# Altium PCB Sweet4x4_02.PcbDoc (part 1 of 2)
Units mm, origin at the board's own origin, x right, y up, seen from the top; angles counter-clockwise.
Board outline 80 x 114 mm, 2 copper layers (Top Layer, Bottom Layer), stack 1.571 mm thick; 67 components, 23 nets, 344 pads, 8 vias.
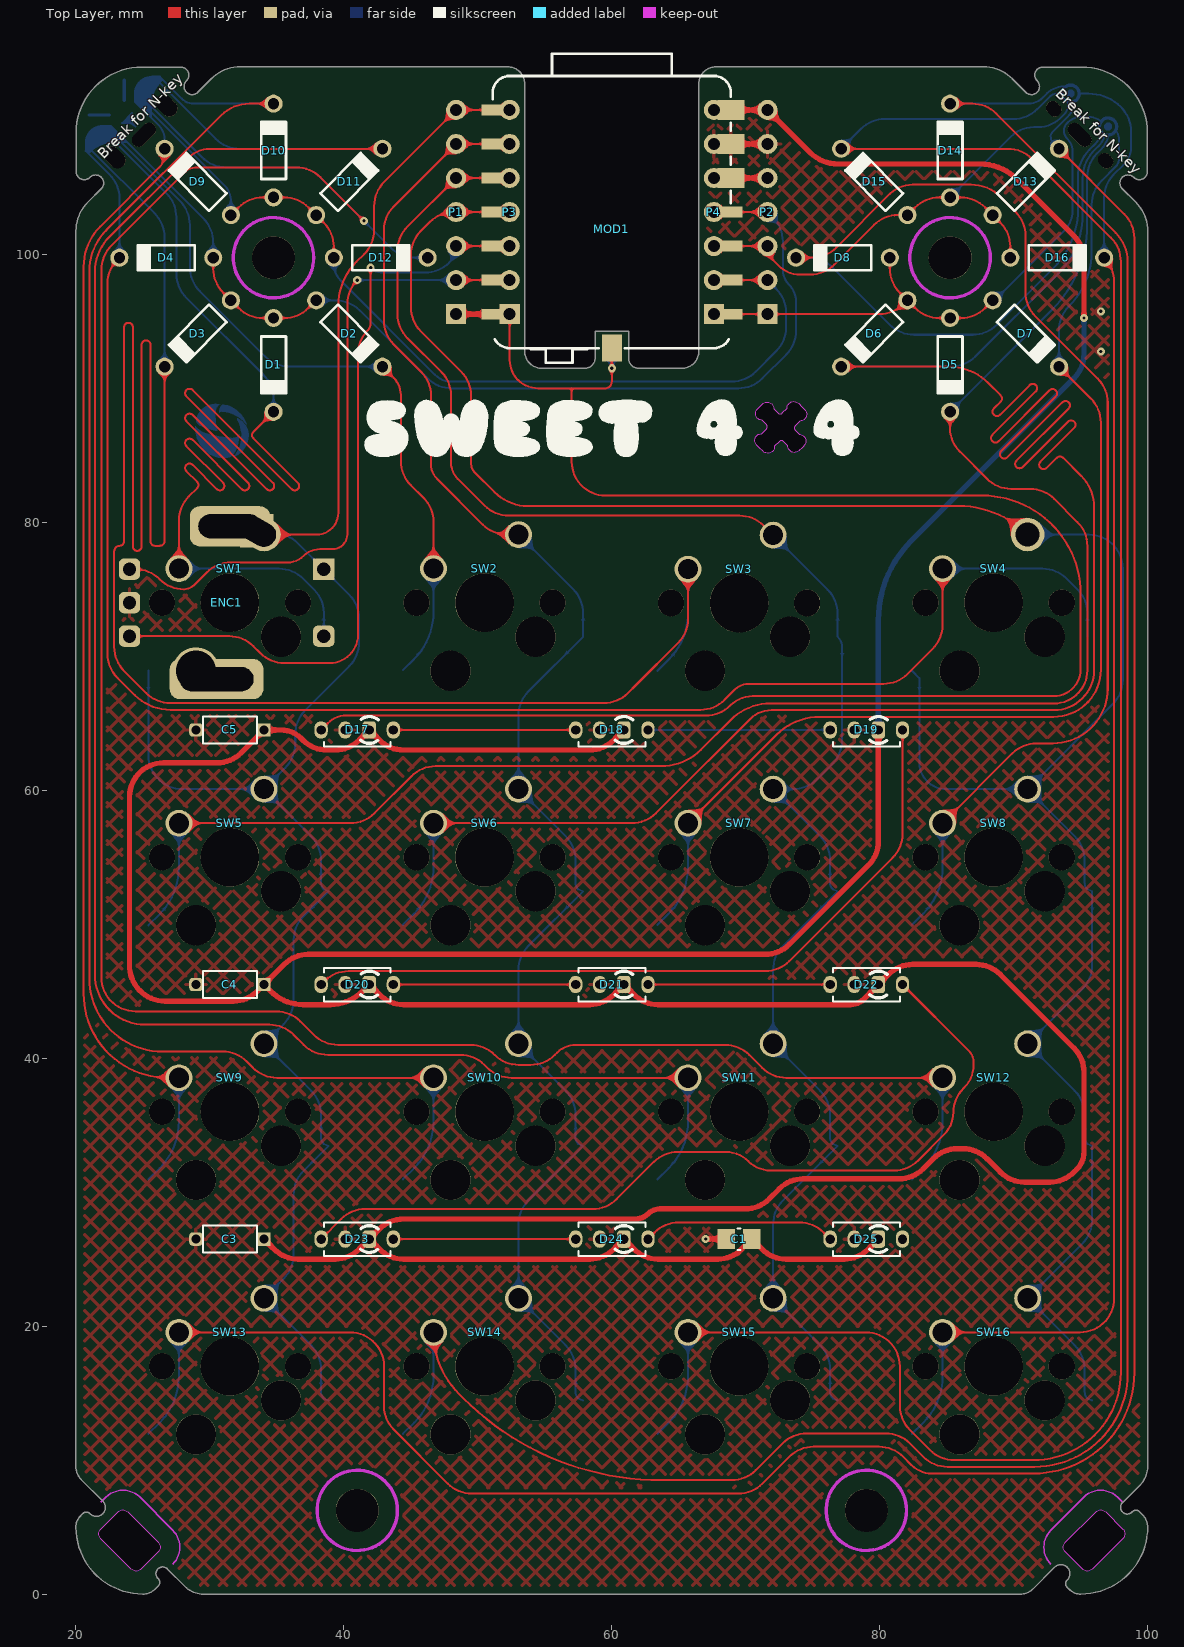
[diagram p0: Top Layer view]
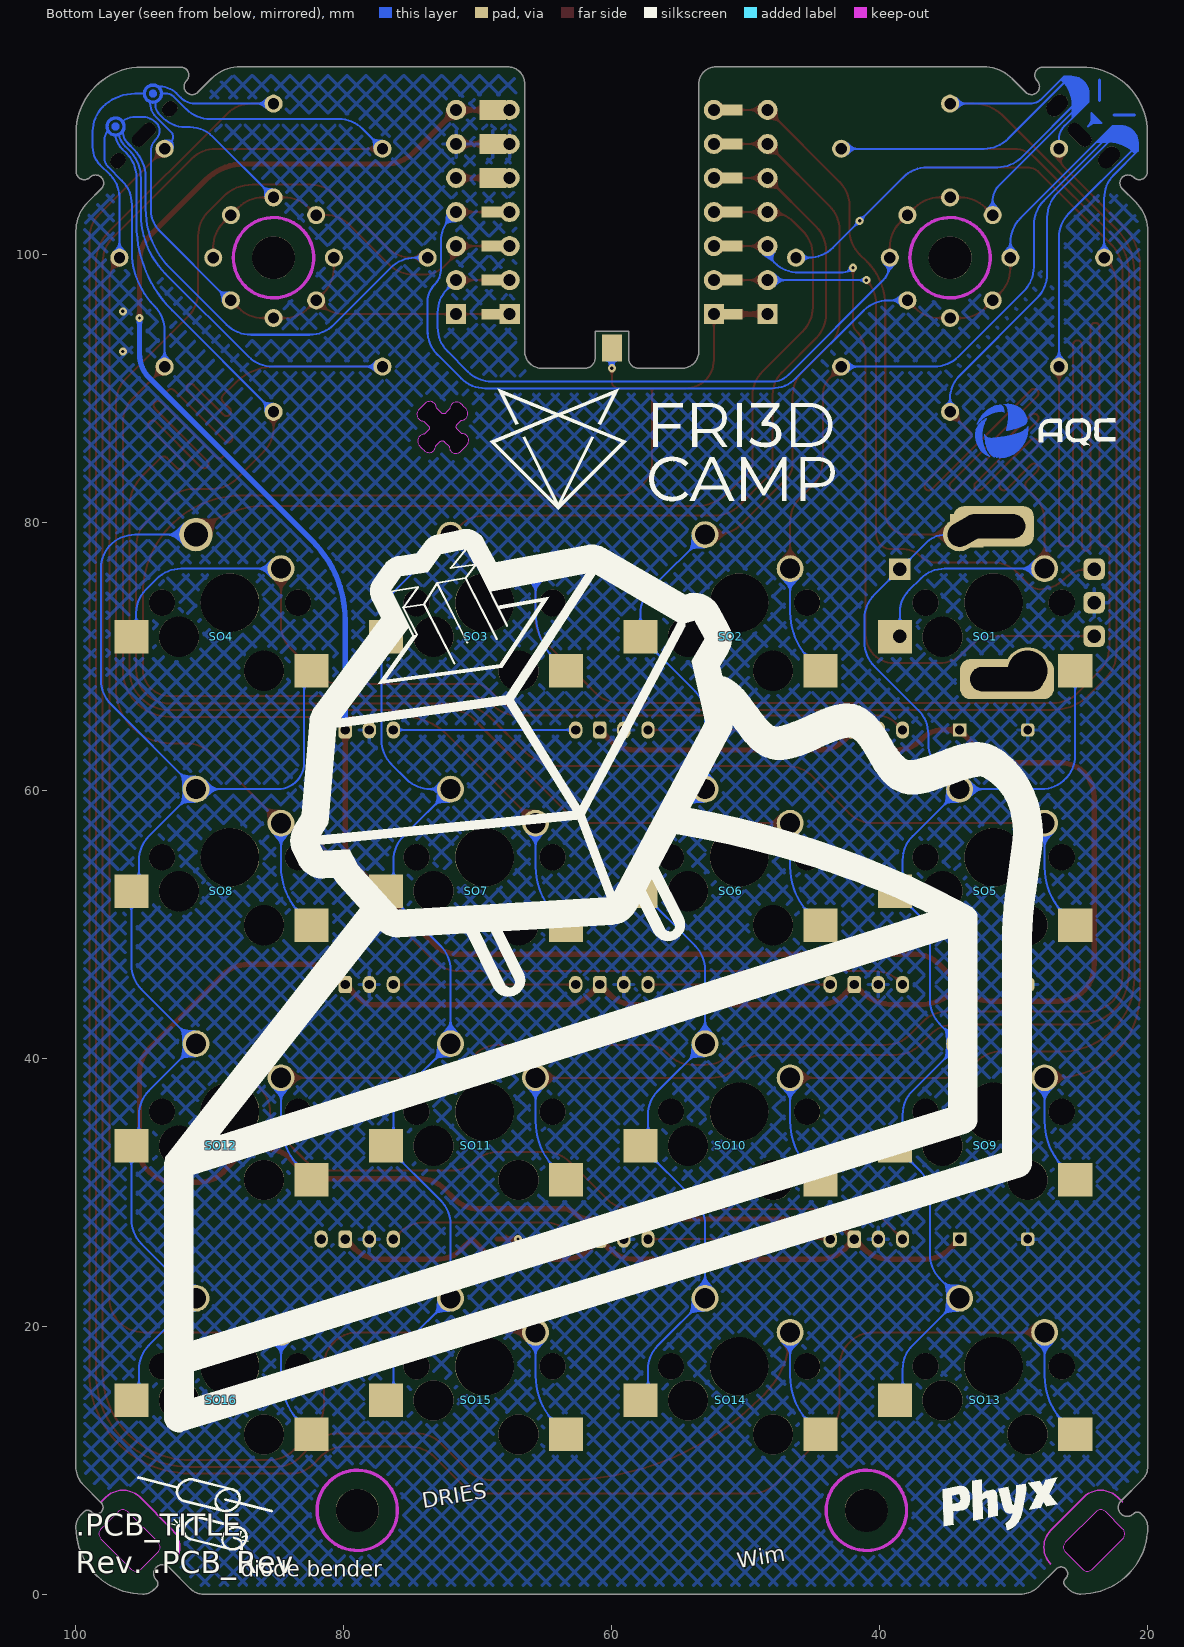
[diagram p1: Bottom Layer view, seen from below]
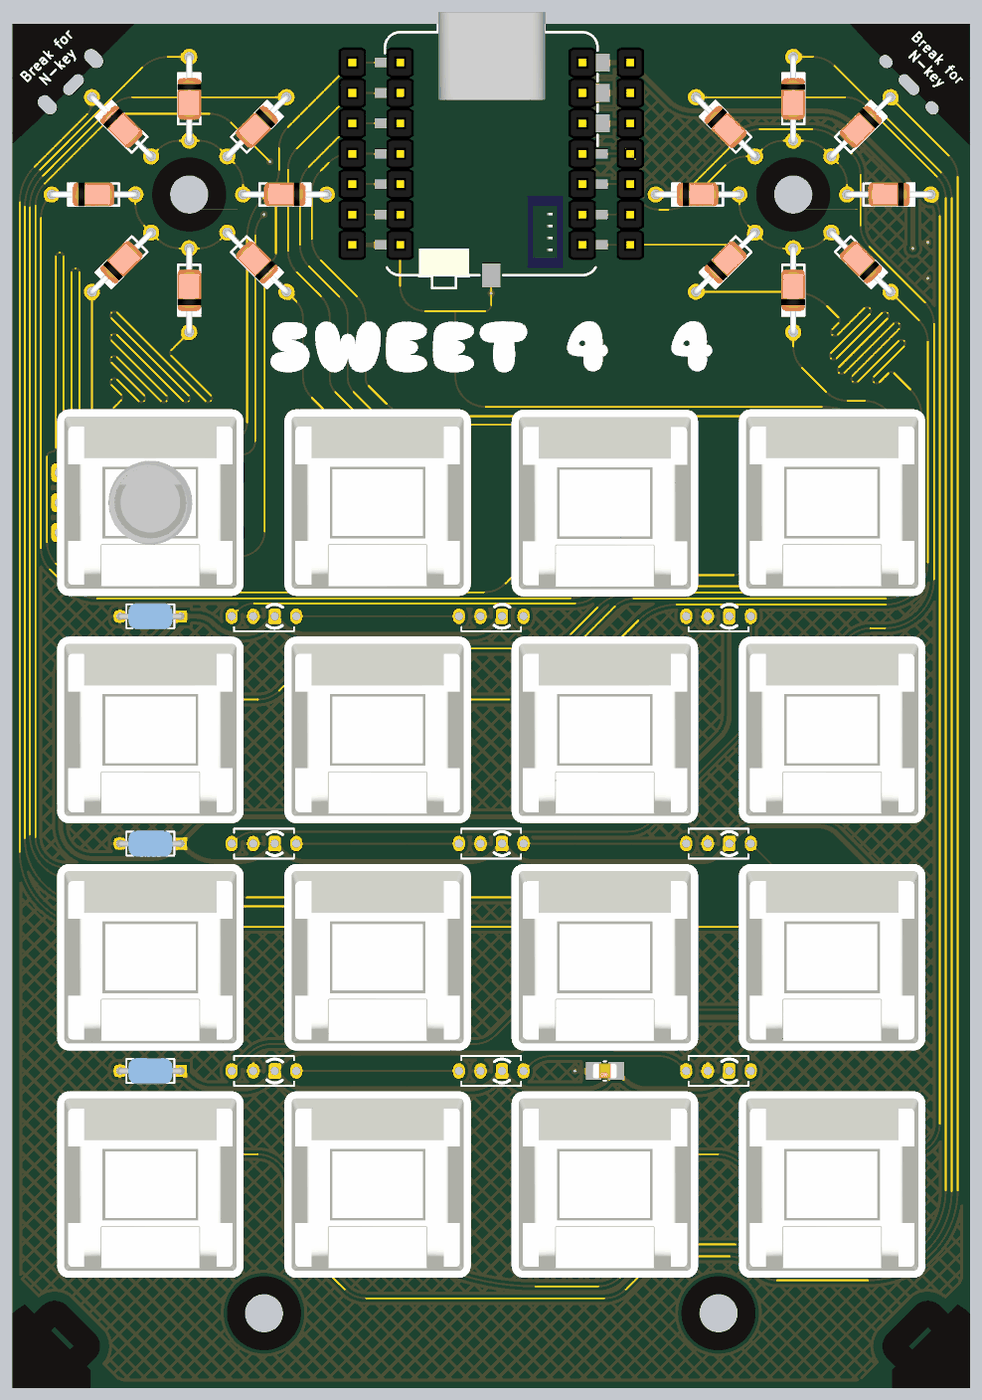
[diagram p3: 3D render of the assembled board from above, using the file's embedded part models]

## Layer stack, top to bottom
Top Solder: solder mask 0.0102, Solder Resist, Dk 3.5
Top Layer: signal copper 0.0356
Dielectric1: core 1.5, FR-4, Dk 4.8
Bottom Layer: signal copper 0.0356
Bottom Solder: solder mask 0.0102, Solder Resist, Dk 3.5

## Board outline
25,0 ccw(c25,1.296) 25.916,0.379 26.164,0.627 ccw(c25.888,0.879) 26.14,1.154 cw(c26.475,1.525) 26.846,1.86 28.145,0.561 ccw(c29.5,1.916) 29.5,0 90.5,0 ccw(c90.5,1.331) 91.441,0.39 93.027,1.976 cw(c93.525,1.525) 93.976,1.027 ccw(c94.251,0.776) 94,0.5 94.146,0.354 ccw(c95,1.207) 95,0 ccw(c95,5) 100,5 ccw(c98.704,5) 99.621,5.916 99.373,6.164 ccw(c99.121,5.888) 98.846,6.14 cw(c98.475,6.475) 98.14,6.846 99.439,8.145 ccw(c98.084,9.5) 100,9.5 100,101.73 ccw(c96.934,101.73) 99.102,103.898 98.102,104.898 cw(c98.528,105.324) 98.953,105.749 ccw(c99.379,106.175) 99.981,106.175 99.981,109.072 ccw(c95.072,109.072) 95.072,113.981 92.175,113.981 ccw(c92.175,113.379) 91.749,112.953 cw(c91.324,112.528) 90.898,112.102 89.898,113.102 ccw(c87.73,110.934) 87.73,114 67.77,114 ccw(c67.77,112.73) 66.5,112.73 66.5,92.77 cw(c65.23,92.77) 65.23,91.5 62,91.5 cw(c62,92.25) 61.25,92.25 61.25,94.25 58.75,94.25 58.75,92.25 cw(c58,92.25) 58,91.5 54.77,91.5 cw(c54.77,92.77) 53.5,92.77 53.5,112.73 ccw(c52.23,112.73) 52.23,114 32.27,114 ccw(c32.27,110.934) 30.102,113.102 29.102,112.102 cw(c28.676,112.528) 28.251,112.953 ccw(c27.825,113.379) 27.825,113.981 24.928,113.981 ccw(c24.928,109.072) 20.019,109.072 20.019,106.175 ccw(c20.621,106.175) 21.047,105.749 cw(c21.472,105.324) 21.898,104.898 20.898,103.898 ccw(c23.066,101.73) 20,101.73 20,9.5 ccw(c21.331,9.5) 20.39,8.559 21.976,6.973 cw(c21.525,6.475) 21.027,6.024 ccw(c20.776,5.749) 20.5,6 20.354,5.854 ccw(c21.207,5) 20,5 ccw(c25,5)
cut-out: 70.88,88.467 71.057,88.644 71.216,88.803 71.233,88.82 cw(c71.587,88.467) 72.087,88.462 72.382,88.166 ccw(c72.559,88.343) 72.736,88.166 73.085,88.515 cw(c73.585,88.52) 73.938,88.873 74.168,88.644 74.398,88.414 cw(c74.044,88.06) 74.039,87.56 73.69,87.212 ccw(c73.867,87.035) 73.69,86.858 73.986,86.562 cw(c73.991,86.062) 74.345,85.709 74.327,85.691 74.168,85.532 74.009,85.373 73.991,85.355 cw(c73.637,85.709) 73.137,85.714 72.842,86.01 ccw(c72.665,85.833) 72.488,86.01 72.14,85.661 cw(c71.64,85.656) 71.286,85.302 71.057,85.532 70.827,85.762 cw(c71.18,86.116) 71.185,86.616 71.534,86.964 ccw(c71.357,87.141) 71.534,87.318 71.238,87.613 cw(c71.233,88.113)
cut-out: 26.146,3.146 24.854,1.854 cw(c24.5,2.207) 24.146,1.854 21.851,4.149 21.854,4.146 cw(c22.207,4.5) 21.854,4.854 21.851,4.851 23.149,6.149 23.146,6.146 cw(c23.5,5.793) 23.854,6.146 23.851,6.149 26.146,3.854 cw(c25.793,3.5)
cut-out: 96.854,6.146 98.146,4.854 cw(c97.793,4.5) 98.146,4.146 95.851,1.851 95.854,1.854 cw(c95.5,2.207) 95.146,1.854 95.149,1.851 93.851,3.149 93.854,3.146 cw(c94.207,3.5) 93.854,3.854 93.851,3.851 96.146,6.146 cw(c96.5,5.793)

## Design rules (kind name [scope] priority, off if disabled: settings)
BoardOutlineClearance [NOT OnLayer('Top Overlay') AND NOT OnLayer('Bottom Overlay') AND NOT IsText AND NOT WithinRoom('Fri3d_2020_Time_Blaster_00')] p1: gap=0.5 ignorepadtopadclearanceinfootprint=FALSE except(0: Arc-SplitContinuation Track-SplitContinuation SMDPad-SplitContinuation THPad-SplitContinuation Via-SplitContinuation Fill-SplitContinuation Poly-SplitContinuation Region-SplitContinuation Text-SplitContinuation; 0.3: SMDPad-OutlineEdge; 0.4: THPad-OutlineEdge)
Clearance [All] p1: gap=0.15 ignorepadtopadclearanceinfootprint=FALSE except(0: Arc-Hole Track-Hole SMDPad-Hole THPad-Hole Via-Hole Fill-Hole Region-Hole Text-Hole; 0.25: Arc-Poly Track-Poly SMDPad-Poly THPad-Poly Via-Poly Fill-Poly Poly-Hole; 1.1: Poly-Poly)
ComponentClearance ComponentClearance_TP [HasFootprint('TP_2x3mm')] p1: gap=0 collisioncheckmode=3 verticalgap=0 showdistances=FALSE
ComponentClearance ComponentClearance_SW [InComponentClass('SWITCH') vs InComponentClass('SWITCH')] p2: gap=0 collisioncheckmode=3 verticalgap=0 showdistances=FALSE
ComponentClearance ComponentClearance_RES [InComponentClass('Resistors') vs InComponentClass('Resistors')] p3: gap=0 collisioncheckmode=3 verticalgap=0 showdistances=FALSE
ComponentClearance ComponentClearance_P1-2 [InComponent('P1') vs InComponent('P2')] p4: gap=0 collisioncheckmode=3 verticalgap=0 showdistances=FALSE
ComponentClearance [All] p5: gap=0.25 collisioncheckmode=3 verticalgap=0.25 showdistances=FALSE
DiffPairsRouting [All] p1: maxlimit=0.254 minlimit=0.15 mostfreqgap=0.15 toplayer_minwidth=0.25 toplayer_maxwidth=0.381 toplayer_prefwidth=0.25 bottomlayer_minwidth=0.25 bottomlayer_maxwidth=0.381 bottomlayer_prefwidth=0.25 maxuncoupledlength=12.7
HoleSize [All] p1: absolutevalues=TRUE maxlimit=10 minlimit=0.025 maxpercent=80.000 minpercent=20.000
HoleToHoleClearance [All] p1: gap=0 allowstackedmicrovias=TRUE
PolygonConnect PolygonConnect_VIA [IsVia] p1: connectstyle=Direct reliefconductorwidth=0.254 reliefentries=4 polygonreliefangle="90 Angle" airgapwidth=0.254
PolygonConnect [All] p2: connectstyle=Relief reliefconductorwidth=0.254 reliefentries=4 polygonreliefangle="90 Angle" airgapwidth=0.254
RoutingVias [All] p1: holewidth=0.3 width=0.7 viastyle="Through Hole" minholewidth=0.3 minwidth=0.2 maxholewidth=0.6 maxwidth=1.2
SilkToSolderMaskClearance SilkscreenOverComponentPads [IsPad] p1: minsilkscreentomaskgap=0.254 clearancetoexposedcopper=TRUE
SolderMaskExpansion SolderMaskExpansion_track [IsTrack or IsArc] p1: expansion=0 istentingtop=FALSE
SolderMaskExpansion [All] p2: expansion=0.05 istentingtop=FALSE
SupplyNets "Schematic Supply Nets_1" [InNet('GND')] p1: voltage=0.000
SupplyNets "Schematic Supply Nets" [InNet('VSYS')] p2: voltage=0.000
Width [All] p1: maxlimit=5 minlimit=0.15 preferedwidth=0.25
25 further rules are at their usual default settings.

## Components (designator, comment, footprint, x,y, rotation, side; value= is the part's Value field where it differs from the comment)
C1 "CAP_CERAMIC" C0805_N 69.5,26.5 r180 top value="10uF 10V"
C3 "CAP_CERAMIC" C_5.08mm 31.5,26.5 r180 top value="100nF 50V"
C4 "CAP_CERAMIC" C_5.08mm 31.5,45.5 r180 top value="100nF 50V"
C5 "CAP_CERAMIC" C_5.08mm 31.5,64.5 r180 top value="100nF 50V"
D1 "1N4148 100V 200mA 1Vf@10mA" DO-35 34.75,91.75 r270 top value=1N4148
D2 "1N4148 100V 200mA 1Vf@10mA" DO-35 40.407,94.093 r315 top value=1N4148
D3 "1N4148 100V 200mA 1Vf@10mA" DO-35 29.093,94.093 r225 top value=1N4148
D4 "1N4148 100V 200mA 1Vf@10mA" DO-35 26.75,99.75 r180 top value=1N4148
D5 "1N4148 100V 200mA 1Vf@10mA" DO-35 85.25,91.75 r270 top value=1N4148
D6 "1N4148 100V 200mA 1Vf@10mA" DO-35 79.593,94.093 r225 top value=1N4148
D7 "1N4148 100V 200mA 1Vf@10mA" DO-35 90.907,94.093 r315 top value=1N4148
D8 "1N4148 100V 200mA 1Vf@10mA" DO-35 77.25,99.75 r180 top value=1N4148
D9 "1N4148 100V 200mA 1Vf@10mA" DO-35 29.093,105.407 r135 top value=1N4148
D10 "1N4148 100V 200mA 1Vf@10mA" DO-35 34.75,107.75 r90 top value=1N4148
D11 "1N4148 100V 200mA 1Vf@10mA" DO-35 40.407,105.407 r45 top value=1N4148
D12 "1N4148 100V 200mA 1Vf@10mA" DO-35 42.75,99.75 r0 top value=1N4148
D13 "1N4148 100V 200mA 1Vf@10mA" DO-35 90.907,105.407 r45 top value=1N4148
D14 "1N4148 100V 200mA 1Vf@10mA" DO-35 85.25,107.75 r90 top value=1N4148
D15 "1N4148 100V 200mA 1Vf@10mA" DO-35 79.593,105.407 r135 top value=1N4148
D16 "1N4148 100V 200mA 1Vf@10mA" DO-35 93.25,99.75 r0 top value=1N4148
D17 "WS2812 based digital RGB LED 5mm Rectangle" LED_5mm_RGB_RECT_EASY 41,64.5 r0 top value=WS2812D-255
D18 "WS2812 based digital RGB LED 5mm Rectangle" LED_5mm_RGB_RECT_EASY 60,64.5 r0 top value=WS2812D-255
D19 "WS2812 based digital RGB LED 5mm Rectangle" LED_5mm_RGB_RECT_EASY 79,64.5 r0 top value=WS2812D-255
D20 "WS2812 based digital RGB LED 5mm Rectangle" LED_5mm_RGB_RECT_EASY 41,45.5 r0 top value=WS2812D-255
D21 "WS2812 based digital RGB LED 5mm Rectangle" LED_5mm_RGB_RECT_EASY 60,45.5 r0 top value=WS2812D-255
D22 "WS2812 based digital RGB LED 5mm Rectangle" LED_5mm_RGB_RECT_EASY 79,45.5 r0 top value=WS2812D-255
D23 "WS2812 based digital RGB LED 5mm Rectangle" LED_5mm_RGB_RECT_EASY 41,26.5 r0 top value=WS2812D-255
D24 "WS2812 based digital RGB LED 5mm Rectangle" LED_5mm_RGB_RECT_EASY 60,26.5 r0 top value=WS2812D-255
D25 "WS2812 based digital RGB LED 5mm Rectangle" LED_5mm_RGB_RECT_EASY 79,26.5 r0 top value=WS2812D-255
ENC1 "Rotary Encoder with Switch" PEC11-4215F-S0024 31.5,74 r270 top value=PEC11-4215F-S0024
MOD1 "CH23V203 based TNY module" PHYX_LANA_TNY_SMD 68.89,113.32 r180 top value="LANA TNY"
P1 "Header 7" HDR1X7 48.38,95.54 r90 top
P2 "Header 7" HDR1X7 71.62,95.54 r90 top
P3 "Header 7" HDR1X7 52.38,95.54 r90 top
P4 "Header 7" HDR1X7 67.62,95.54 r90 top
SO1 "Kailh MX Socket" KAILH_MX_SOCKET#1 31.5,74 r180 top value=CPG151101S11
SO2 "Kailh MX Socket" KAILH_MX_SOCKET#2 50.5,74 r180 top value=CPG151101S11
SO3 "Kailh MX Socket" KAILH_MX_SOCKET#2 69.5,74 r180 top value=CPG151101S11
SO4 "Kailh MX Socket" KAILH_MX_SOCKET#2 88.5,74 r180 top value=CPG151101S11
SO5 "Kailh MX Socket" KAILH_MX_SOCKET#2 31.5,55 r180 top value=CPG151101S11
SO6 "Kailh MX Socket" KAILH_MX_SOCKET#2 50.5,55 r180 top value=CPG151101S11
SO7 "Kailh MX Socket" KAILH_MX_SOCKET#2 69.5,55 r180 top value=CPG151101S11
SO8 "Kailh MX Socket" KAILH_MX_SOCKET#2 88.5,55 r180 top value=CPG151101S11
SO9 "Kailh MX Socket" KAILH_MX_SOCKET#2 31.5,36 r180 top value=CPG151101S11
SO10 "Kailh MX Socket" KAILH_MX_SOCKET#2 50.5,36 r180 top value=CPG151101S11
SO11 "Kailh MX Socket" KAILH_MX_SOCKET#2 69.5,36 r180 top value=CPG151101S11
SO12 "Kailh MX Socket" KAILH_MX_SOCKET#2 88.5,36 r180 top value=CPG151101S11
SO13 "Kailh MX Socket" KAILH_MX_SOCKET#2 31.5,17 r180 top value=CPG151101S11
SO14 "Kailh MX Socket" KAILH_MX_SOCKET#2 50.5,17 r180 top value=CPG151101S11
SO15 "Kailh MX Socket" KAILH_MX_SOCKET#2 69.5,17 r180 top value=CPG151101S11
SO16 "Kailh MX Socket" KAILH_MX_SOCKET#2 88.5,17 r180 top value=CPG151101S11
SW1 "Cherry MX Blue" Cherry_MX1A#1 31.5,74 r0 top value=MX1A-E1NN
SW2 "Cherry MX Blue" Cherry_MX1A#2 50.5,74 r0 top value=MX1A-E1NN
SW3 "Cherry MX Blue" Cherry_MX1A#2 69.5,73.96 r0 top value=MX1A-E1NN
SW4 "Cherry MX Blue" Cherry_MX1A#3 88.5,74 r0 top value=MX1A-E1NN
SW5 "Cherry MX Blue" Cherry_MX1A#2 31.5,55 r0 top value=MX1A-E1NN
SW6 "Cherry MX Blue" Cherry_MX1A#2 50.5,55 r0 top value=MX1A-E1NN
SW7 "Cherry MX Blue" Cherry_MX1A#2 69.5,55 r0 top value=MX1A-E1NN
SW8 "Cherry MX Blue" Cherry_MX1A#2 88.5,55 r0 top value=MX1A-E1NN
SW9 "Cherry MX Blue" Cherry_MX1A#2 31.5,36 r0 top value=MX1A-E1NN
SW10 "Cherry MX Blue" Cherry_MX1A#2 50.5,36 r0 top value=MX1A-E1NN
SW11 "Cherry MX Blue" Cherry_MX1A#2 69.5,36 r0 top value=MX1A-E1NN
SW12 "Cherry MX Blue" Cherry_MX1A#2 88.5,36 r0 top value=MX1A-E1NN
SW13 "Cherry MX Blue" Cherry_MX1A#2 31.5,17 r0 top value=MX1A-E1NN
SW14 "Cherry MX Blue" Cherry_MX1A#2 50.5,17 r0 top value=MX1A-E1NN
SW15 "Cherry MX Blue" Cherry_MX1A#2 69.5,17 r0 top value=MX1A-E1NN
SW16 "Cherry MX Blue" Cherry_MX1A#2 88.5,17 r0 top value=MX1A-E1NN

## Footprints (in the part's own frame and the unit in brackets; to place one, negate y for a bottom-side part, rotate by r counter-clockwise, add the part's x,y. Pads: shape width x height; smd on the part's side, far side on the other; paste and mask are expansions set on the pad)
C0805_N [mm] "Low density"
  rect 1.3x1.5 smd: 1(-0.95,0) 2(0.95,0)
  silkscreen extent -0.1,-0.8 0.1,0.8, body extent -1,-0.62 1,0.63, height 0.78
C_5.08mm [mm] "Ceramic Cap 5.08mm pitch"
  rect 1x1 hole 0.65: 1(-2.54,0)
  rrect50% 1x1 hole 0.65: 2(2.54,0)
  silkscreen extent -2,-1 2,1, body extent -2.79,-1.1 2.79,1.11, height 6.2
Cherry_MX1A#1 [mil]
  round 77 hole 77 unplated mask+5: 0(-200,0) 0(200,0)
  round 172 hole 172 unplated mask+5: 0(0,0)
  round 98.43 hole 59 mask+0: 1(100,200)
  round 79 hole 59 mask+0: 2(-150,100)
  body extent -307,-307 307,307, height 598
Cherry_MX1A#2 [mil]
  round 77 hole 77 unplated mask+5: 0(-200,0) 0(200,0)
  round 172 hole 172 unplated mask+5: 0(0,0)
  round 79 hole 59 mask+0: 1(100,200) 2(-150,100)
  body extent -307,-307 307,307, height 598
Cherry_MX1A#3 [mil]
  round 77 hole 77 unplated mask+5: 0(-200,0) 0(200,0)
  round 172 hole 172 unplated mask+5: 0(0,0)
  round 98.43 hole 70.87 mask+0: 1(100,200)
  round 79 hole 59 mask+0: 2(-150,100)
  body extent -307,-307 307,307, height 598
DO-35 [mm] "DO-35"
  round 1.35 hole 0.85: A(-3.5,0) C(3.5,0)
  silkscreen extent -2.12,-0.93 2.13,0.92, body extent -3.75,-1 3.75,1, height 2.3
HDR1X7 [mm] "Connector; Header; 7 Position"
  rect 1.5x1.5 hole 0.9: 1(0,0)
  round 1.5 hole 0.9: 2(2.54,0) 3(5.08,0) 4(7.62,0) 5(10.16,0) 6(12.7,0) 7(15.24,0)
  body extent -1.27,-1.14 16.51,1.14, height 8.13
KAILH_MX_SOCKET#1 [mm]
  round 1.956 hole 1.956 unplated mask+0.127: 0(-5.08,0) 0(5.08,0)
  round 3 hole 3 unplated: 0(-3.81,2.54)
  round 4.369 hole 4.369 unplated mask+0.127: 0(0,0)
  round 3.5 hole 3: 0(2.54,5.08)
  rect 2.55x2.5 smd far side: 1(-7.36,2.54) 2(6.09,5.08)
  body extent -7.87,0.85 6.63,6.74, height 1.86
KAILH_MX_SOCKET#2 [mm]
  round 1.956 hole 1.956 unplated mask+0.127: 0(-5.08,0) 0(5.08,0)
  round 3 hole 3 unplated: 0(-3.81,2.54) 0(2.54,5.08)
  round 4.369 hole 4.369 unplated mask+0.127: 0(0,0)
  rect 2.55x2.5 smd far side: 1(-7.36,2.54) 2(6.09,5.08)
  body extent -7.87,0.85 6.63,6.74, height 1.86
LED_5mm_RGB_RECT_EASY [mm] "5mm LED RGB"
  oval 1x1.3 hole 0.7: 1(2.7,0) 3(-0.9,0) 4(-2.7,0)
  rrect50% 1x1.3 hole 0.7: 2(0.9,0)
  silkscreen extent -2.5,-1.25 2.5,1, body extent -2.5,-1.25 2.5,1.25, height 5.5
PEC11-4215F-S0024 [mm] "PEC11-4215F-S0024"
  rect 1.6x1.6 hole 1: 1(-2.5,7)
  rrect50% 1.6x1.6 hole 1: 2(2.5,7) A(-2.5,-7.5) B(2.5,-7.5) C(0,-7.5)
  rrect50% 3x6 hole 1.8 slot 4.7 at 90 deg: MH1(-5.7,0)
  rrect50% 3x7 hole 1.8 slot 5.5 at 90 deg: MH2(5.7,-1)
  body extent -7,-7.7 7,7.2, height 26.6
PHYX_LANA_TNY_SMD [mm] "Phyx LANA TNY SMD"
  rect 1.5x0.8 smd: 2(-0.1,17.78) 4(-0.1,15.24) 6(-0.1,12.7) 8(-0.1,10.16) 12(17.88,2.54) 14(17.88,5.08) 16(17.88,7.62) 18(17.88,10.16) 20(17.88,12.7) 22(17.88,15.24) 24(17.88,17.78)
  rect 2x1.5 smd: 9(0,7.62) 10(0,5.08) 11(0,2.54)
  rect 1.5x2 smd: 26(8.89,20.32)
  silkscreen extent 0,-1.64 17.78,21.4, body extent 0,-1.65 17.78,21.39, height 2.75

## Part data
C1: library part "CAP # 10uF 10V 0805", "Capacitor Ceramic", Supplier Part Number 1=2320859, Supplier 1=Farnell
C3 C4 C5: library part "CAP 100nF 50V 5.08mm", "Capacitor Ceramic", Supplier Part Number 1=C84772, Supplier 1=LCSC
D1 D2 D3 D4 D5 D6 D7 D8 D9 D10 D11 D12 D13 D14 D15 D16: library part "DIO 1N4148 DO-35", "Default Diode", Supplier Part Number 1=C14538, Supplier 1=LCSC, Supplier 2=LCSC, Supplier Part Number 2=C14516
D17 D18 D19 D20 D21 D22 D23 D24 D25: library part "LED RGB WS2812 5mm Rectangle", "=Description", Supplier Part Number 1=C4154874, Supplier 1=LCSC
ENC1: library part "ENC ROT INC 24-24ppr SW", Supplier Part Number 1=1653380, Supplier 1=Farnell
MOD1: library part "MOD # CH23V203 LANA TNY SMD", Supplier Part Number 1="LANA TNY", Supplier 1=Phyx
P1 P2 P3 P4: library part "Pin Header 2.54mm 7way"
SO1 SO2 SO3 SO4 SO5 SO6 SO7 SO8 SO9 SO10 SO11 SO12 SO13 SO14 SO15 SO16: library part "SW # Socket MX Kailh", Supplier 1=NovelKeys
SW1 SW2 SW3 SW4 SW5 SW6 SW7 SW8 SW9 SW10 SW11 SW12 SW13 SW14 SW15 SW16: library part "SW Cherry MX1A-E1NN Blue", Supplier Part Number 1=CH196-ND, Supplier 1=Digi-key, Supplier 2=Mouser, Supplier Part Number 2=540-MX1A-E1NN

## Free pads (board coordinates)
  rect 1.5x0.8 smd far side: 1(51.01,95.54) 1(51.01,98.08) 1(51.01,100.62) 1(51.01,103.16) 1(51.01,105.7) 1(51.01,108.24) 1(51.01,110.78) 1(68.99,95.54) 1(68.99,98.08) 1(68.99,100.62) 1(68.99,103.16)
  rect 1.5x2 smd far side: 1(60,93)
  rect 2x1.5 smd far side: 1(68.89,105.7) 1(68.89,108.24) 1(68.89,110.78)
  oval 1.8x1.2 hole 1.2 slot 1.8 at 135 deg unplated rot 135: 2(22.89,107.241) 2(26.759,111.11)
  oval 2.1x1 hole 1 slot 2.1 at 45 deg unplated rot 45: 2(25.074,108.926)
  oval 1.2x1 hole 1 slot 1.2 at 135 deg unplated rot 135: 2(92.991,110.86) 2(96.86,106.991)
  oval 2.1x1 hole 1 slot 2.1 at 135 deg unplated rot 135: 2(94.926,108.926)
  round 3.2 hole 3.2 unplated mask+1.5: MH(34.75,99.75) MH(41,6.25) MH(79,6.25) MH(85.25,99.75)
  rect 2.5x2.5 hole 1.8 slot 3 at 150 deg: S8(33.512,79.382)

## Via types
v1: diameter 0.6, hole 0.25, Top Layer to Bottom Layer, tented top, 7 vias
v2: diameter 0.6, hole 0.25, Top Layer to Bottom Layer, 1 vias

## Nets (pads, with @x,y where several pads share a name; then routed paths per layer and width w, separated by ;. In a path a pad name is that pad's centre, name@x,y a point inside that pad or via, vN(x,y) a via of type N, cw(c..) or ccw(c..) an arc to the next point about the centre after c; other vN are vias at no path point)
+3V3: MOD1.9 P2.5 P4.5 pad.1@68.89,105.7 | length 4
  Top Layer w0.4: P4.5@67.62,105.7 P2.5@71.62,105.7
Col1: ENC1.1 MOD1.12 P1.7 P3.7 pad.1@51.01,110.78 pad.S8 SO1.2 SO5.1 SO9.1 SO13.1 SW1.1 SW5.1 SW9.1 SW13.1 | length 140.8
  Top Layer w0.15: SW1.1@34.04,78.928 SW1.1@34.04,79.08 37.96,79.08 ccw(c37.96,80.709) 39.589,80.709 39.589,96.189 cw(c44.177,96.189) 40.933,99.433 41.52,100.02 ccw(c39.723,101.816) 42.263,101.816 42.263,103.611 cw(c44.803,103.611) 43.007,105.407 P1.7@48.38,110.78 P3.7@52.38,110.78
  Bottom Layer w0.15: SO1.2@25.41,68.92 25.41,62.62 ccw(c27.95,62.62) 27.95,60.08 SW5.1@34.04,60.08 ; SW1.1@34.04,79.08 35.1,79.08 cw(c35.1,77.1) 36.5,78.5 ENC1.1@38.5,76.5 40.398,74.602 cw(c38.602,72.806) 41.142,72.806 41.142,71.053 cw(c38.602,71.053) 40.398,69.257 37.116,65.975 ccw(c38.912,64.179) 36.372,64.179 36.372,63.465 cw(c33.832,63.465) 35.628,61.668 SW5.1@34.04,60.08 ; SO13.1@38.86,14.46 38.495,14.611 cw(c38.979,15.095) 38.294,15.095 38.295,16.773 ccw(c35.755,16.773) 37.551,18.569 SW13.1@34.04,22.08 35.506,23.546 ccw(c33.71,25.342) 36.25,25.342 36.25,29.798 cw(c38.79,29.798) 36.994,31.594 SO9.1@38.86,33.46 38.495,33.611 cw(c38.979,34.095) 38.294,34.095 38.295,35.773 ccw(c35.755,35.773) 37.551,37.569 SW9.1@34.04,41.08 35.506,42.546 ccw(c33.71,44.342) 36.25,44.342 36.25,48.798 cw(c38.79,48.798) 36.994,50.594 SO5.1@38.86,52.46 38.495,52.611 cw(c38.979,53.095) 38.294,53.095 38.295,54.773 ccw(c35.755,54.773) 37.551,56.569 SW5.1@34.04,60.08
Col2: MOD1.14 P1.6 P3.6 pad.1@51.01,108.24 SO2.1 SO6.1 SO10.1 SO14.1 SW2.1 SW6.1 SW10.1 SW14.1 | length 118.2
  Top Layer w0.15: P3.6@52.38,108.24 P1.6@48.38,108.24 43.744,103.604 ccw(c45.54,101.808) 43,101.808 43,95.052 ccw(c45.54,95.052) 43.744,93.256 45.756,91.244 cw(c43.96,89.448) 46.5,89.448 46.5,84.358 ccw(c48.09,84.358) 46.966,83.233 50.375,79.824 ccw(c52.171,81.62) 52.171,79.08 SW2.1@53.04,79.08
  Bottom Layer w0.15: SW2.1@53.04,79.08 57.116,75.004 cw(c55.32,73.208) 57.86,73.208 SO2.1@57.86,71.46 53.784,67.384 ccw(c55.58,65.588) 53.04,65.588 SW6.1@53.04,60.08 56.551,56.569 cw(c54.755,54.773) 57.295,54.773 57.295,53.095 ccw(c57.979,53.095) 57.495,52.611 SO6.1@57.86,52.46 53.784,48.384 ccw(c55.58,46.588) 53.04,46.588 SW10.1@53.04,41.08 56.551,37.569 cw(c54.755,35.773) 57.295,35.773 57.295,34.095 ccw(c57.979,34.095) 57.495,33.611 SO10.1@57.86,33.46 53.784,29.384 ccw(c55.58,27.588) 53.04,27.588 SW14.1@53.04,22.08 56.551,18.569 cw(c54.755,16.773) 57.295,16.773 57.295,15.095 ccw(c57.979,15.095) 57.495,14.611 SO14.1@57.86,14.46
Col3: MOD1.16 P1.5 P3.5 pad.1@51.01,105.7 SO3.1 SO7.1 SO11.1 SO15.1 SW3.1 SW7.1 SW11.1 SW15.1 | length 134.4
  Top Layer w0.15: P3.5@52.38,105.7 P1.5@48.38,105.7 44.744,102.064 ccw(c46.54,100.268) 44,100.268 44,95.552 ccw(c46.54,95.552) 44.744,93.756 47.293,91.207 cw(c45.586,89.5) 48,89.5 48,84.457 ccw(c49.707,84.457) 48.5,83.25 50.506,81.244 ccw(c52.302,83.04) 52.302,80.5 69.528,80.5 cw(c69.528,77.96) 71.324,79.756 SW3.1@72.04,79.04
  Bottom Layer w0.15: SW3.1@72.04,79.04 76.116,74.964 cw(c74.32,73.168) 76.86,73.168 SO3.1@76.86,71.46 cw(c76.06,70.66) 77.192,70.66 77.192,63.744 cw(c74.652,63.744) 76.448,61.948 75.324,60.824 cw(c73.528,62.62) 73.528,60.08 SW7.1@72.04,60.08 75.551,56.569 cw(c73.755,54.773) 76.295,54.773 76.295,53.095 ccw(c76.979,53.095) 76.495,52.611 SO7.1@76.86,52.46 72.784,48.384 ccw(c74.58,46.588) 72.04,46.588 SW11.1@72.04,41.08 75.551,37.569 cw(c73.755,35.773) 76.295,35.773 76.295,34.095 ccw(c76.979,34.095) 76.495,33.611 SO11.1@76.86,33.46 72.784,29.384 ccw(c74.58,27.588) 72.04,27.588 SW15.1@72.04,22.08 75.551,18.569 cw(c73.755,16.773) 76.295,16.773 76.295,15.095 ccw(c76.979,15.095) 76.495,14.611 SO15.1@76.86,14.46
Col4: MOD1.18 P1.4 P3.4 pad.1@51.01,103.16 SO4.2 SO8.1 SO12.1 SO16.1 SW4.1 SW8.1 SW12.1 SW16.1 | length 169.6
  Top Layer w0.15: P3.4@52.38,103.16 P1.4@48.38,103.16 48.212,103.16 ccw(c48.212,100.62) 46.416,102.416 45.744,101.744 ccw(c47.54,99.948) 45,99.948 45,96.052 ccw(c47.54,96.052) 45.744,94.256 48.756,91.244 cw(c46.96,89.448) 49.5,89.448 49.5,84.354 ccw(c50.354,84.354) 49.75,83.75 51.256,82.244 ccw(c53.732,84.72) 53.732,81.218 85.878,81.218 cw(c85.878,73.918) SW4.1@91.04,79.08 ; SW4.1@90.512,79.382 SW4.1@90.613,78.974
  Bottom Layer w0.15: SO4.2@82.41,68.92 82.962,68.368 82.962,62.068 ccw(c84.95,62.068) 84.95,60.08 SW8.1@91.04,60.08 ; SW4.1@91.04,79.08 95.602,79.08 cw(c95.602,76.54) 98.142,76.54 98.142,68.234 cw(c95.602,68.234) 97.398,66.438 SW8.1@91.04,60.08 ; SO16.1@95.86,14.46 95.495,14.611 cw(c95.979,15.095) 95.295,15.095 95.295,16.773 ccw(c92.755,16.773) 94.551,18.569 SW16.1@91.04,22.08 95.116,26.156 ccw(c93.32,27.952) 95.86,27.952 SO12.1@95.86,33.46 95.495,33.611 cw(c95.979,34.095) 95.295,34.095 95.295,35.773 ccw(c92.755,35.773) 94.551,37.569 SW12.1@91.04,41.08 95.116,45.156 ccw(c93.32,46.952) 95.86,46.952 SO8.1@95.86,52.46 95.495,52.611 cw(c95.979,53.095) 95.295,53.095 95.295,54.773 ccw(c92.755,54.773) 94.551,56.569 SW8.1@91.04,60.08
GND: C1.2 C3.2 C4.2 C5.2 D17.3 D18.3 D19.3 D20.3 D21.3 D22.3 D23.3 D24.3 D25.3 ENC1.C MOD1.10 P2.6 P4.6 pad.1@68.89,108.24 | length 5.6
  Top Layer w0.4: v1(67,26.5) C1.2@68.55,26.5 ; P4.6@67.62,108.24 P2.6@71.62,108.24
  other v1: 96.5,92.75 96.5,95.75
I2C.SCL: ENC1.A MOD1.22 P1.2 P3.2 pad.1@51.01,98.08 | length 48.8
  Top Layer w0.15: ENC1.A@24,76.5 24.448,76.5 cw(c24.448,73.96) 26.244,75.756 26.256,75.744 ccw(c28.052,77.54) 28.052,75 ccw(c28.052,76.081) 28.817,75.317 29.756,76.256 cw(c31.552,74.46) 31.552,77 35.793,77 ccw(c35.793,78.707) 37,77.5 cw(c38.207,76.293) 38.207,78 39.15,78 ccw(c39.15,79.116) 40.267,79.116 40.267,96.31 cw(c42.77,96.31) v1(41,98.08) ; P1.2@48.38,98.08 P3.2@52.38,98.08
  Bottom Layer w0.15: v1(41,98.08) P1.2@48.38,98.08
I2C.SDA: ENC1.B MOD1.20 P1.3 P3.3 pad.1@51.01,100.62 | length 58.1
  Top Layer w0.15: ENC1.B@24,71.5 31.448,71.5 cw(c31.448,68.96) 33.244,70.756 33.756,70.244 ccw(c35.552,72.04) 35.552,69.5 38.96,69.5 ccw(c38.96,71.592) 41.052,71.592 41.052,92.543 cw(c43.595,92.543) 41.797,94.342 ccw(c41.306,94.832) 42,94.832 v1(42,99) ; P1.3@48.38,100.62 P3.3@52.38,100.62
  Bottom Layer w0.15: v1(42,99) ccw(c42.891,99.891) 42.891,98.631 46.054,98.631 ccw(c46.054,101.171) 47.85,99.375 47.874,99.399 ccw(c46.654,100.62) P1.3@48.38,100.62
LED.Data: D17.4 MOD1.24 MOD1.26 P1.1 P3.1 pad.1@51.01,95.54 pad.1@60,93 | length 133.8
  Top Layer w0.15: D17.4@38.3,64.5 38.806,65.006 cw(c40.18,63.632) 40.18,65.575 67.012,65.575 ccw(c67.012,68.187) 68.859,66.34 cw(c70.504,64.695) 70.504,67.021 92.977,67.021 ccw(c92.977,69.045) 95,69.045 95,74.637 ccw(c87.637,74.637) 87.637,82 59.54,82 cw(c59.54,84.54) 57,84.54 57,90 ; P3.1@52.38,95.54 52.38,92.12 ccw(c54.5,92.12) 54.5,90 57,90 ; MOD1.26@60,93 v2(60,91.5) 60,90.5 cw(c59.5,90.5) 59.5,90 57,90
  Top Layer w0.4: P1.1@48.38,95.54 P3.1@52.38,95.54
  Bottom Layer w0.4: v2(60,91.5) pad.1@60,93
LED.Dout: D25.1
NetD17_1: D17.1 D18.4 | length 13.6
  Top Layer w0.15: D17.1@43.7,64.5 D18.4@57.3,64.5
NetD18_1: D18.1 D19.4 | length 13.6
  Bottom Layer w0.15: D18.1@62.7,64.5 D19.4@76.3,64.5
NetD19_1: D19.1 D20.4 | length 56.1
  Top Layer w0.15: D20.4@38.3,45.5 38.556,45.756 cw(c40.352,43.96) 40.352,46.5 71.448,46.5 ccw(c71.448,49.04) 73.244,47.244 80.956,54.956 ccw(c79.16,56.752) 81.7,56.752 D19.1@81.7,64.5
NetD20_1: D20.1 D21.4 | length 13.6
  Top Layer w0.15: D20.1@43.7,45.5 D21.4@57.3,45.5
NetD21_1: D21.1 D22.4 | length 13.6
  Top Layer w0.15: D21.1@62.7,45.5 D22.4@76.3,45.5
NetD22_1: D22.1 D23.4 | length 64.2
  Top Layer w0.15: D23.4@38.3,26.5 39.806,28.006 cw(c41.602,26.21) 41.602,28.75 58.585,28.75 ccw(c58.585,31.29) 60.381,29.494 63.143,32.256 cw(c64.939,30.46) 64.939,33 68.524,33 cw(c68.524,30.644) 70.189,32.311 cw(c68.524,30.644) 70.19,32.31 ccw(c71.856,33.976) 70.191,32.309 ccw(c71.856,33.976) 71.856,31.62 81.068,31.62 ccw(c81.068,34.16) 82.864,32.364 84.812,34.312 ; D22.1@81.7,45.5 86.652,40.548 ; 84.813,34.313 ccw(c83.15,35.973) 85.5,35.973 cw(c87.979,35.973) 86.225,37.725 ; 86.226,37.726 86.315,37.815 ccw(c84.661,39.469) 87,39.469 87,39.708 ccw(c85.813,39.708) 86.653,40.547
NetD23_1: D23.1 D24.4 | length 13.6
  Top Layer w0.15: D23.1@43.7,26.5 D24.4@57.3,26.5
NetD24_1: D24.1 D25.4 | length 14.4
  Top Layer w0.15: D24.1@62.7,26.5 63.206,27.006 cw(c65.002,25.21) 65.002,27.75 73.998,27.75 cw(c73.998,25.21) 75.794,27.006 D25.4@76.3,26.5
Row1: D1.A D1.C D2.A D2.C D3.A D3.C D4.A D4.C ENC1.2 MOD1.8 P2.4 P4.4 pad.1@68.99,103.16 SO1.1 SO2.2 SO3.2 SO4.1 SW1.2 SW2.2 SW3.2 SW4.2 | length 539.3
  Top Layer w0.15: D4.C@23.25,99.75 23.088,99.588 ccw(c24.885,97.792) 22.689,99.069 ccw(c24.885,97.792) 22.345,97.792 22.345,70.208 ccw(c24.885,70.208) 23.088,68.412 24.403,67.097 ccw(c27.052,69.747) 27.052,66 66.618,66 ccw(c66.618,68.54) 68.414,66.744 69.197,67.527 ; D3.C@26.618,91.618 26.618,78.603 cw(c26.265,78.603) 26.315,78.254 cw(c26.265,78.603) 26.265,78.25 25.897,78.25 cw(c25.897,78.579) 25.568,78.579 25.568,93.249 ccw(c25.239,93.249) 25.239,93.578 ccw(c25.239,93.249) 24.91,93.249 24.91,78.2 cw(c24.581,78.2) 24.581,77.871 cw(c24.581,78.2) 24.252,78.2 24.252,94.565 ccw(c23.923,94.565) 23.923,94.894 ccw(c23.923,94.565) 23.594,94.565 23.594,78.579 cw(c23.265,78.579) 23.265,78.25 ccw(c23.265,77.846) 22.861,77.846 22.861,70.691 ccw(c25.401,70.691) 23.605,68.895 25.256,67.244 ccw(c27.052,69.04) 27.052,66.5 59.397,66.5 ccw(c59.397,69.04) 61.194,67.244 61.843,67.893 ; SW1.2@27.69,76.54 27.69,80.138 cw(c30.23,80.138) 28.434,81.934 29.053,82.553 ccw(c28.82,82.786) 29.053,83.018 28.247,83.824 cw(c28.48,84.057) 28.247,84.29 cw(c28.48,84.057) 28.712,84.29 30.519,82.483 ccw(c30.752,82.715) 30.985,82.483 ccw(c30.752,82.715) 30.985,82.948 28.247,85.685 cw(c28.48,85.918) 28.247,86.151 cw(c28.48,85.918) 28.712,86.151 32.38,82.483 ccw(c32.613,82.715) 32.846,82.483 ccw(c32.613,82.715) 32.846,82.948 28.247,87.546 cw(c28.48,87.779) 28.247,88.012 cw(c28.48,87.779) 28.712,88.012 34.241,82.483 ccw(c34.474,82.715) 34.707,82.483 ccw(c34.474,82.715) 34.707,82.948 28.247,89.408 cw(c28.48,89.64) 28.247,89.873 cw(c28.48,89.64) 28.712,89.873 36.103,82.483 ccw(c36.335,82.715) 36.568,82.483 ccw(c36.335,82.715) 36.568,82.948 33.241,86.275 cw(c33.473,86.508) 33.241,86.741 D1.C@34.75,88.25 ; D4.A@30.25,99.75 30.25,98.938 ccw(c32.79,98.938) 30.994,97.142 32.142,95.994 ccw(c33.938,97.79) 33.938,95.25 35.562,95.25 ccw(c35.562,97.79) 37.358,95.994 D2.A@37.932,96.568 ; D2.C@42.882,91.618 43.72,90.78 cw(c42.439,89.5) 44.25,89.5 44.25,84.567 ccw(c46.79,84.567) 44.994,82.771 45.946,81.818 cw(c44.15,80.022) 46.69,80.022 SW2.2@46.69,76.54 ; 61.844,67.894 64.946,70.996 ccw(c63.15,72.793) 65.69,72.793 SW3.2@65.69,76.5 ; P4.4@67.62,103.16 P2.4@71.62,103.16 ; SW4.2@84.69,76.54 84.69,72.35 cw(c82.15,72.35) 83.946,70.554 82.078,68.686 cw(c80.282,70.482) 80.282,67.942 70.197,67.942 ccw(c70.197,66.531) 69.199,67.529 ; 69.197,67.527 ccw(c66.98,69.748) 69.199,67.529 ; 69.197,67.527 69.199,67.529
  Bottom Layer w0.15: 22.157,109.157 26.756,104.558 cw(c24.96,102.761) 27.5,102.761 27.5,98.552 ccw(c30.04,98.552) 28.244,96.756 34.006,90.994 cw(c32.21,89.198) 34.75,89.198 D1.C@34.75,88.25 ; 22.375,109.375 27.756,103.995 cw(c25.96,102.199) 28.5,102.199 28.5,99.052 ccw(c31.04,99.052) 29.244,97.256 34.138,92.362 ccw(c35.934,94.158) 35.934,91.618 D2.C@42.882,91.618 ; D4.C@23.25,99.75 23.25,104.166 ccw(c20.734,104.166) 22.513,105.945 20.729,107.729 20.737,107.737 ; D3.C@26.618,91.618 26.618,101.259 ccw(c24.078,101.259) 25.874,103.055 20.964,107.964 ; SW1.2@27.69,76.54 35.158,76.54 cw(c35.158,74) 36.954,75.796 37.793,74.957 ; 29.506,102.687 cw(c27.71,100.891) 30.25,100.891 D4.A@30.25,99.75 ; 29.506,102.687 22.597,109.597 ; 37.793,74.957 cw(c36.086,73.25) 38.5,73.25 ENC1.2@38.5,71.5 ; D2.A@37.932,96.568 39.38,96.568 cw(c39.38,94.028) 41.176,95.824 46.256,90.744 ccw(c48.052,92.54) 48.052,90 69.448,90 ccw(c69.448,92.54) 71.244,90.744 73.006,92.506 ccw(c71.21,94.302) 73.75,94.302 73.75,96.452 ccw(c71.897,96.452) 73.207,97.762 cw(c74.281,98.836) 72.762,98.836 72.762,100.965 ccw(c70.222,100.965) 72.019,102.761 P2.4@71.62,103.16 ; SO2.2@44.41,68.96 45.249,69.799 ccw(c41.771,73.278) 46.69,73.278 SW2.2@46.69,76.54 SW2.2@46.69,76.58 ; SO3.2@63.41,68.92 64.249,69.759 ccw(c60.771,73.238) 65.69,73.238 SW3.2@65.69,76.5 SW3.2@65.69,76.54 ; SW4.2@84.69,76.54 92.158,76.54 cw(c92.158,74) 93.954,75.796 94.793,74.957 cw(c93.086,73.25) 95.5,73.25 SO4.1@95.5,71.5 ; 20.737,107.737 20.737,108.327 cw(c22.007,108.327) 22.007,109.597 22.597,109.597 ; 20.737,107.737 20.964,107.964 ; 20.964,107.964 22.597,109.597